# KiCad board ae89fa26-SparkFun_Thing_Plus_ESP32-S3_panelized.kicad_pcb (continued)
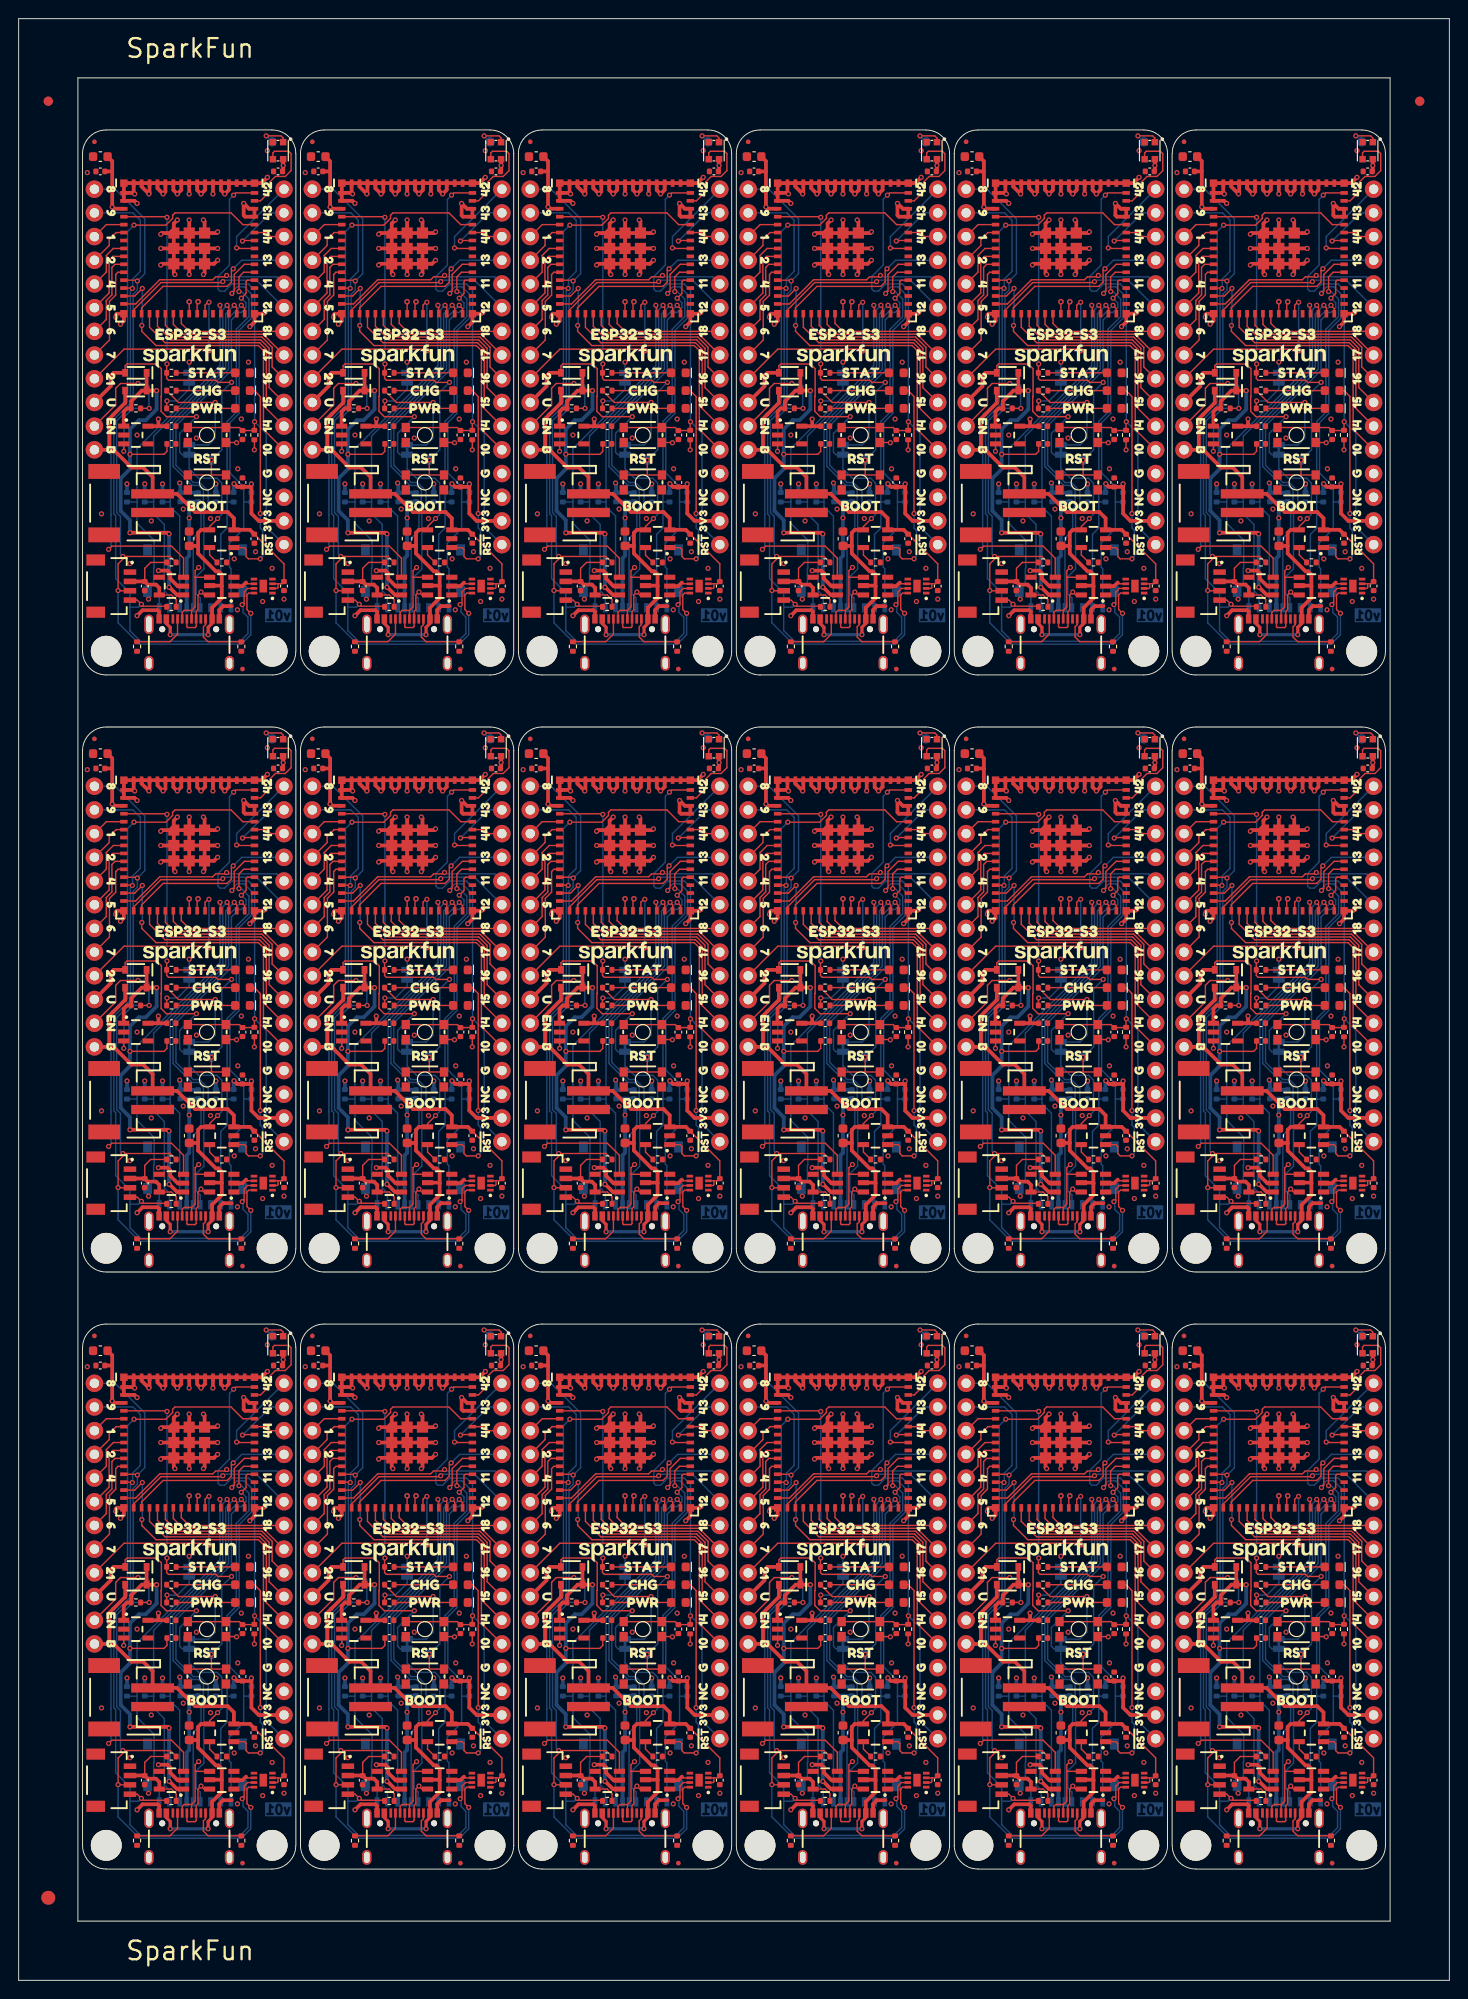
[diagram p0: board, top side]
## Routing (per net, layer and track width the routed paths; a pad name or vN(x,y) marks a point on that pad's centre or on a via; arc(x,y) is an arc through that point) (continued)
  Bottom w0.152: U10#9.1 57.06,128 60.24,124.83 60.24,118.95 v1(59.44,118.16) 59.44,117.18 59,116.75 59,104.97 57.23,103.19 57.23,93.33 57.63,92.92 57.63,88.88 v1(57.89,88.63) ; U10#12.1 57.06,192 60.24,188.83 60.24,182.95 v1(59.44,182.16) 59.44,181.18 59,180.75 59,168.97 57.23,167.19 57.23,157.33 57.63,156.92 57.63,152.88 v1(57.89,152.63) ; U10#16.1 103.78,192 106.96,188.83 106.96,182.95 v1(106.16,182.16) 106.16,181.18 105.72,180.75 105.72,168.97 103.95,167.19 103.95,157.33 104.35,156.92 104.35,152.88 v1(104.61,152.63) ; v1(127.46,148.98) 127.46,145.52 129.75,143.23 140.67,143.23 141.68,144.25 v1(141.68,146.53) ; v1(94.96,18.53) 94.96,16.25 93.95,15.23 83.03,15.23 80.74,17.52 v1(80.74,20.98) ; v1(57.89,24.63) 57.63,24.88 57.63,28.92 57.23,29.33 57.23,39.19 59,40.97 59,52.75 59.44,53.18 v1(59.44,54.16) 60.24,54.95 60.24,60.83 57.06,64 U10#6.1 ; v1(48.24,146.53) 48.24,144.25 47.23,143.23 36.31,143.23 34.02,145.52 v1(34.02,148.98) ; v1(48.24,82.53) 48.24,80.25 47.23,79.23 36.31,79.23 34.02,81.52 v1(34.02,84.98) ; v1(81.25,24.63) 80.99,24.88 80.99,28.92 80.59,29.33 80.59,39.19 82.36,40.97 82.36,52.75 82.8,53.18 v1(82.8,54.16) 83.6,54.95 83.6,60.83 80.42,64 U10#11.1 ; v1(71.6,18.53) 71.6,16.25 70.59,15.23 59.67,15.23 57.38,17.52 v1(57.38,20.98) ; U10#7.1 127.14,192 130.32,188.83 130.32,182.95 v1(129.52,182.16) 129.52,181.18 129.08,180.75 129.08,168.97 127.31,167.19 127.31,157.33 127.71,156.92 127.71,152.88 v1(127.97,152.63) ; v1(24.88,146.53) 24.88,144.25 23.87,143.23 12.95,143.23 10.66,145.52 v1(10.66,148.98) ; v1(104.1,20.98) 104.1,17.52 106.39,15.23 117.31,15.23 118.32,16.25 v1(118.32,18.53) ; U10#15.1 103.78,128 106.96,124.83 106.96,118.95 v1(106.16,118.16) 106.16,117.18 105.72,116.75 105.72,104.97 103.95,103.19 103.95,93.33 104.35,92.92 104.35,88.88 v1(104.61,88.63) ; v1(141.68,82.53) 141.68,80.25 140.67,79.23 129.75,79.23 127.46,81.52 v1(127.46,84.98) ; v1(71.6,146.53) 71.6,144.25 70.59,143.23 59.67,143.23 57.38,145.52 v1(57.38,148.98) ; v1(24.88,82.53) 24.88,80.25 23.87,79.23 12.95,79.23 10.66,81.52 v1(10.66,84.98) ; v1(11.17,24.63) 10.91,24.88 10.91,28.92 10.51,29.33 10.51,39.19 12.28,40.97 12.28,52.75 12.72,53.18 v1(12.72,54.16) 13.52,54.95 13.52,60.83 10.34,64 U10#18.1 ; v1(104.1,84.98) 104.1,81.52 106.39,79.23 117.31,79.23 118.32,80.25 v1(118.32,82.53) ; v1(127.46,20.98) 127.46,17.52 129.75,15.23 140.67,15.23 141.68,16.25 v1(141.68,18.53) ; v1(104.1,148.98) 104.1,145.52 106.39,143.23 117.31,143.23 118.32,144.25 v1(118.32,146.53) ; v1(11.17,88.63) 10.91,88.88 10.91,92.92 10.51,93.33 10.51,103.19 12.28,104.97 12.28,116.75 12.72,117.18 v1(12.72,118.16) 13.52,118.95 13.52,124.83 10.34,128 U10.1 ; v1(81.25,88.63) 80.99,88.88 80.99,92.92 80.59,93.33 80.59,103.19 82.36,104.97 82.36,116.75 82.8,117.18 v1(82.8,118.16) 83.6,118.95 83.6,124.83 80.42,128 U10#17.1 ; v1(34.53,152.63) 34.27,152.88 34.27,156.92 33.87,157.33 33.87,167.19 35.64,168.97 35.64,180.75 36.08,181.18 v1(36.08,182.16) 36.88,182.95 36.88,188.83 33.7,192 U10#5.1 ; U10#4.1 33.7,128 36.88,124.83 36.88,118.95 v1(36.08,118.16) 36.08,117.18 35.64,116.75 35.64,104.97 33.87,103.19 33.87,93.33 34.27,92.92 34.27,88.88 v1(34.53,88.63) ; U10#8.1 127.14,128 130.32,124.83 130.32,118.95 v1(129.52,118.16) 129.52,117.18 129.08,116.75 129.08,104.97 127.31,103.19 127.31,93.33 127.71,92.92 127.71,88.88 v1(127.97,88.63) ; v1(104.61,24.63) 104.35,24.88 104.35,28.92 103.95,29.33 103.95,39.19 105.72,40.97 105.72,52.75 106.16,53.18 v1(106.16,54.16) 106.96,54.95 106.96,60.83 103.78,64 U10#14.1 ; v1(71.6,82.53) 71.6,80.25 70.59,79.23 59.67,79.23 57.38,81.52 v1(57.38,84.98) ; U10#3.1 33.7,64 36.88,60.83 36.88,54.95 v1(36.08,54.16) 36.08,53.18 35.64,52.75 35.64,40.97 33.87,39.19 33.87,29.33 34.27,28.92 34.27,24.88 v1(34.53,24.63) ; v1(127.97,24.63) 127.71,24.88 127.71,28.92 127.31,29.33 127.31,39.19 129.08,40.97 129.08,52.75 129.52,53.18 v1(129.52,54.16) 130.32,54.95 130.32,60.83 127.14,64 U10#10.1 ; v1(11.17,152.63) 10.91,152.88 10.91,156.92 10.51,157.33 10.51,167.19 12.28,168.97 12.28,180.75 12.72,181.18 v1(12.72,182.16) 13.52,182.95 13.52,188.83 10.34,192 U10#2.1 ; v1(80.74,148.98) 80.74,145.52 83.03,143.23 93.95,143.23 94.96,144.25 v1(94.96,146.53) ; v1(80.74,84.98) 80.74,81.52 83.03,79.23 93.95,79.23 94.96,80.25 v1(94.96,82.53) ; v1(81.25,152.63) 80.99,152.88 80.99,156.92 80.59,157.33 80.59,167.19 82.36,168.97 82.36,180.75 82.8,181.18 v1(82.8,182.16) 83.6,182.95 83.6,188.83 80.42,192 U10#13.1 ; v1(34.02,20.98) 34.02,17.52 36.31,15.23 47.23,15.23 48.24,16.25 v1(48.24,18.53) ; v1(24.88,18.53) 24.88,16.25 23.87,15.23 12.95,15.23 10.66,17.52 v1(10.66,20.98)
ESP9/SCL: length 1388.7
  Top w0.152: 82.09,83.96 82.79,83.96 v1(83.24,83.51) 83.44,83.3 85.88,83.3 R12#12.2 ; v1(47.32,147.47) 47.35,147.47 47.53,147.65 47.53,148.83 47.9,149.21 U4#6.7 ; v1(82.26,117.36) 82.23,117.4 U3#15.13 ; R12#15.2 15.8,147.3 13.36,147.3 v1(13.16,147.51) 12.71,147.96 12.01,147.96 ; 58.73,83.96 59.43,83.96 v1(59.88,83.51) 60.08,83.3 62.52,83.3 R12#13.2 ; R12#2.2 109.24,83.3 106.8,83.3 v1(106.6,83.51) 106.15,83.96 105.45,83.96 ; 82.09,147.96 82.79,147.96 v1(83.24,147.51) 83.44,147.3 85.88,147.3 R12#16.2 ; U4#5.7 47.9,21.21 47.53,20.83 47.53,19.65 47.35,19.47 v1(47.32,19.47) ; v1(23.96,147.47) 23.99,147.47 24.17,147.65 24.17,148.83 24.54,149.21 U4#3.7 ; U4#2.7 24.54,21.21 24.17,20.83 24.17,19.65 23.99,19.47 v1(23.96,19.47) ; v1(117.4,19.47) 117.43,19.47 117.61,19.65 117.61,20.83 117.98,21.21 U4#14.7 ; R12.2 15.8,19.3 13.36,19.3 v1(13.16,19.51) 12.71,19.96 12.01,19.96 ; U4#8.7 94.62,21.21 94.25,20.83 94.25,19.65 94.07,19.47 v1(94.04,19.47) ; v1(105.62,53.36) 105.59,53.4 U3#14.13 ; v1(140.76,147.47) 140.79,147.47 140.97,147.65 140.97,148.83 141.34,149.21 U4#10.7 ; U4#9.7 117.98,85.21 117.61,84.83 117.61,83.65 117.43,83.47 v1(117.4,83.47) ; U4#11.7 117.98,149.21 117.61,148.83 117.61,147.65 117.43,147.47 v1(117.4,147.47) ; 35.37,83.96 36.07,83.96 v1(36.52,83.51) 36.72,83.3 39.16,83.3 R12#10.2 ; R12#17.2 39.16,147.3 36.72,147.3 v1(36.52,147.51) 36.07,147.96 35.37,147.96 ; U4#15.7 141.34,85.21 140.97,84.83 140.97,83.65 140.79,83.47 v1(140.76,83.47) ; U3#13.13 128.95,181.4 v1(128.98,181.36) ; 35.37,19.96 36.07,19.96 v1(36.52,19.51) 36.72,19.3 39.16,19.3 R12#6.2 ; U3#5.13 35.51,117.4 v1(35.54,117.36) ; v1(58.9,53.36) 58.87,53.4 U3#17.13 ; R12#7.2 62.52,19.3 60.08,19.3 v1(59.88,19.51) 59.43,19.96 58.73,19.96 ; R12#9.2 85.88,19.3 83.44,19.3 v1(83.24,19.51) 82.79,19.96 82.09,19.96 ; v1(35.54,53.36) 35.51,53.4 U3#2.13 ; U3#6.13 105.59,181.4 v1(105.62,181.36) ; v1(140.76,19.47) 140.79,19.47 140.97,19.65 140.97,20.83 141.34,21.21 U4#7.7 ; v1(94.04,147.47) 94.07,147.47 94.25,147.65 94.25,148.83 94.62,149.21 U4#17.7 ; U3#9.13 105.59,117.4 v1(105.62,117.36) ; U3#18.13 12.15,53.4 v1(12.18,53.36) ; R12#3.2 132.6,147.3 130.16,147.3 v1(129.96,147.51) 129.51,147.96 128.81,147.96 ; U3#10.13 82.23,181.4 v1(82.26,181.36) ; U3#7.13 58.87,181.4 v1(58.9,181.36) ; 105.45,147.96 106.15,147.96 v1(106.6,147.51) 106.8,147.3 109.24,147.3 R12#11.2 ; U3#16.13 128.95,53.4 v1(128.98,53.36) ; U4#4.7 24.54,85.21 24.17,84.83 24.17,83.65 23.99,83.47 v1(23.96,83.47) ; v1(70.68,83.47) 70.71,83.47 70.89,83.65 70.89,84.83 71.26,85.21 U4#12.7 ; U3#12.13 128.95,117.4 v1(128.98,117.36) ; R12#14.2 132.6,19.3 130.16,19.3 v1(129.96,19.51) 129.51,19.96 128.81,19.96 ; U4#18.7 94.62,85.21 94.25,84.83 94.25,83.65 94.07,83.47 v1(94.04,83.47) ; R12#5.2 62.52,147.3 60.08,147.3 v1(59.88,147.51) 59.43,147.96 58.73,147.96 ; v1(58.9,117.36) 58.87,117.4 U3#8.13 ; U3.13 35.51,181.4 v1(35.54,181.36) ; v1(82.26,53.36) 82.23,53.4 U3#11.13 ; R12#18.2 132.6,83.3 130.16,83.3 v1(129.96,83.51) 129.51,83.96 128.81,83.96 ; v1(12.18,181.36) 12.15,181.4 U3#3.13 ; v1(12.18,117.36) 12.15,117.4 U3#4.13 ; v1(47.32,83.47) 47.35,83.47 47.53,83.65 47.53,84.83 47.9,85.21 U4.7 ; v1(70.68,147.47) 70.71,147.47 70.89,147.65 70.89,148.83 71.26,149.21 U4#16.7 ; 12.01,83.96 12.71,83.96 v1(13.16,83.51) 13.36,83.3 15.8,83.3 R12#4.2 ; U4#13.7 71.26,21.21 70.89,20.83 70.89,19.65 70.71,19.47 v1(70.68,19.47) ; R12#8.2 109.24,19.3 106.8,19.3 v1(106.6,19.51) 106.15,19.96 105.45,19.96
  Bottom w0.152: 105.37,83.2 105.37,80.68 106.51,79.54 117.18,79.54 118.02,80.37 118.02,82.12 117.5,82.64 117.5,83.55 117.44,83.55 ; 105.37,83.2 106.29,83.2 v1(106.6,83.51) ; 105.37,83.2 105.37,84.73 103.85,86.26 103.85,93 103.64,93.21 103.64,103.32 105.42,105.1 105.42,117.16 v1(105.62,117.36) 105.66,117.4 105.66,118.37 106.48,119.19 106.48,124.67 105.69,125.46 U10#15.2 ; 105.37,19.2 106.29,19.2 v1(106.6,19.51) ; 105.37,19.2 105.37,20.73 103.85,22.26 103.85,29 103.64,29.21 103.64,39.32 105.42,41.1 105.42,53.16 v1(105.62,53.36) 105.66,53.4 105.66,54.37 106.48,55.19 106.48,60.67 105.69,61.46 U10#14.2 ; 105.37,19.2 105.37,16.68 106.51,15.54 117.18,15.54 118.02,16.37 118.02,18.12 117.5,18.64 117.5,19.55 117.44,19.55 ; U10#6.2 58.97,61.46 59.76,60.67 59.76,55.19 58.94,54.37 58.94,53.4 v1(58.9,53.36) 58.7,53.16 58.7,41.1 56.92,39.32 56.92,29.21 57.13,29 57.13,22.26 58.65,20.73 58.65,19.2 ; v1(129.96,147.51) 129.65,147.2 128.73,147.2 ; 82.01,83.2 82.01,80.68 83.15,79.54 93.82,79.54 94.66,80.37 94.66,82.12 94.14,82.64 94.14,83.55 94.07,83.55 ; 82.01,83.2 82.93,83.2 v1(83.24,83.51) ; 82.01,83.2 82.01,84.73 80.49,86.26 80.49,93 80.28,93.21 80.28,103.32 82.06,105.1 82.06,117.16 v1(82.26,117.36) 82.3,117.4 82.3,118.37 83.12,119.19 83.12,124.67 82.33,125.46 U10#17.2 ; 24,19.55 24.06,19.55 24.06,18.64 24.58,18.12 24.58,16.37 23.74,15.54 13.07,15.54 11.93,16.68 11.93,19.2 ; v1(83.24,147.51) 82.93,147.2 82.01,147.2 ; 11.93,19.2 11.93,20.73 10.41,22.26 10.41,29 10.2,29.21 10.2,39.32 11.98,41.1 11.98,53.16 v1(12.18,53.36) 12.22,53.4 12.22,54.37 13.04,55.19 13.04,60.67 12.25,61.46 U10#18.2 ; 11.93,19.2 12.85,19.2 v1(13.16,19.51) ; 58.65,19.2 58.65,16.68 59.79,15.54 70.46,15.54 71.3,16.37 71.3,18.12 70.78,18.64 70.78,19.55 70.72,19.55 ; 58.65,19.2 59.57,19.2 v1(59.88,19.51) ; 35.29,147.2 35.29,148.73 33.77,150.26 33.77,157 33.56,157.21 33.56,167.32 35.34,169.1 35.34,181.16 v1(35.54,181.36) 35.58,181.4 35.58,182.37 36.4,183.19 36.4,188.67 35.61,189.46 U10#5.2 ; 35.29,147.2 35.29,144.68 36.43,143.54 47.1,143.54 47.94,144.37 47.94,146.12 47.42,146.64 47.42,147.55 47.35,147.55 ; 35.29,147.2 36.21,147.2 v1(36.52,147.51) ; 140.79,19.55 140.86,19.55 140.86,18.64 141.38,18.12 141.38,16.37 140.54,15.54 129.87,15.54 128.73,16.68 128.73,19.2 ; 24,147.55 24.06,147.55 24.06,146.64 24.58,146.12 24.58,144.37 23.74,143.54 13.07,143.54 11.93,144.68 11.93,147.2 ; 128.73,83.2 128.73,80.68 129.87,79.54 140.54,79.54 141.38,80.37 141.38,82.12 140.86,82.64 140.86,83.55 140.79,83.55 ; 128.73,83.2 129.65,83.2 v1(129.96,83.51) ; 128.73,83.2 128.73,84.73 127.21,86.26 127.21,93 127,93.21 127,103.32 128.78,105.1 128.78,117.16 v1(128.98,117.36) 129.02,117.4 129.02,118.37 129.84,119.19 129.84,124.67 129.05,125.46 U10#8.2 ; U10#16.2 105.69,189.46 106.48,188.67 106.48,183.19 105.66,182.37 105.66,181.4 v1(105.62,181.36) 105.42,181.16 105.42,169.1 103.64,167.32 103.64,157.21 103.85,157 103.85,150.26 105.37,148.73 105.37,147.2 ; 105.37,147.2 106.29,147.2 v1(106.6,147.51) ; 105.37,147.2 105.37,144.68 106.51,143.54 117.18,143.54 118.02,144.37 118.02,146.12 117.5,146.64 117.5,147.55 117.44,147.55 ; 82.01,147.2 82.01,144.68 83.15,143.54 93.82,143.54 94.66,144.37 94.66,146.12 94.14,146.64 94.14,147.55 94.07,147.55 ; 82.01,147.2 82.01,148.73 80.49,150.26 80.49,157 80.28,157.21 80.28,167.32 82.06,169.1 82.06,181.16 v1(82.26,181.36) 82.3,181.4 82.3,182.37 83.12,183.19 83.12,188.67 82.33,189.46 U10#13.2 ; 70.72,147.55 70.78,147.55 70.78,146.64 71.3,146.12 71.3,144.37 70.46,143.54 59.79,143.54 58.65,144.68 58.65,147.2 ; U10#12.2 58.97,189.46 59.76,188.67 59.76,183.19 58.94,182.37 58.94,181.4 v1(58.9,181.36) 58.7,181.16 58.7,169.1 56.92,167.32 56.92,157.21 57.13,157 57.13,150.26 58.65,148.73 58.65,147.2 ; v1(83.24,19.51) 82.93,19.2 82.01,19.2 ; v1(59.88,147.51) 59.57,147.2 58.65,147.2 ; 82.01,19.2 82.01,20.73 80.49,22.26 80.49,29 80.28,29.21 80.28,39.32 82.06,41.1 82.06,53.16 v1(82.26,53.36) 82.3,53.4 82.3,54.37 83.12,55.19 83.12,60.67 82.33,61.46 U10#11.2 ; 82.01,19.2 82.01,16.68 83.15,15.54 93.82,15.54 94.66,16.37 94.66,18.12 94.14,18.64 94.14,19.55 94.07,19.55 ; 58.65,83.2 58.65,84.73 57.13,86.26 57.13,93 56.92,93.21 56.92,103.32 58.7,105.1 58.7,117.16 v1(58.9,117.36) 58.94,117.4 58.94,118.37 59.76,119.19 59.76,124.67 58.97,125.46 U10#9.2 ; 58.65,83.2 58.65,80.68 59.79,79.54 70.46,79.54 71.3,80.37 71.3,82.12 70.78,82.64 70.78,83.55 70.72,83.55 ; 58.65,83.2 59.57,83.2 v1(59.88,83.51) ; 11.93,83.2 11.93,84.73 10.41,86.26 10.41,93 10.2,93.21 10.2,103.32 11.98,105.1 11.98,117.16 v1(12.18,117.36) 12.22,117.4 12.22,118.37 13.04,119.19 13.04,124.67 12.25,125.46 U10.2 ; 11.93,83.2 11.93,80.68 13.07,79.54 23.74,79.54 24.58,80.37 24.58,82.12 24.06,82.64 24.06,83.55 24,83.55 ; 11.93,83.2 12.85,83.2 v1(13.16,83.51) ; 140.79,147.55 140.86,147.55 140.86,146.64 141.38,146.12 141.38,144.37 140.54,143.54 129.87,143.54 128.73,144.68 128.73,147.2 ; 128.73,19.2 129.65,19.2 v1(129.96,19.51) ; 128.73,19.2 128.73,20.73 127.21,22.26 127.21,29 127,29.21 127,39.32 128.78,41.1 128.78,53.16 v1(128.98,53.36) 129.02,53.4 129.02,54.37 129.84,55.19 129.84,60.67 129.05,61.46 U10#10.2 ; 11.93,147.2 11.93,148.73 10.41,150.26 10.41,157 10.2,157.21 10.2,167.32 11.98,169.1 11.98,181.16 v1(12.18,181.36) 12.22,181.4 12.22,182.37 13.04,183.19 13.04,188.67 12.25,189.46 U10#2.2 ; 11.93,147.2 12.85,147.2 v1(13.16,147.51) ; U10#3.2 35.61,61.46 36.4,60.67 36.4,55.19 35.58,54.37 35.58,53.4 v1(35.54,53.36) 35.34,53.16 35.34,41.1 33.56,39.32 33.56,29.21 33.77,29 33.77,22.26 35.29,20.73 35.29,19.2 ; U10#7.2 129.05,189.46 129.84,188.67 129.84,183.19 129.02,182.37 129.02,181.4 v1(128.98,181.36) 128.78,181.16 128.78,169.1 127,167.32 127,157.21 127.21,157 127.21,150.26 128.73,148.73 128.73,147.2 ; U10#4.2 35.61,125.46 36.4,124.67 36.4,119.19 35.58,118.37 35.58,117.4 v1(35.54,117.36) 35.34,117.16 35.34,105.1 33.56,103.32 33.56,93.21 33.77,93 33.77,86.26 35.29,84.73 35.29,83.2 ; v1(36.52,19.51) 36.21,19.2 35.29,19.2 ; 35.29,19.2 35.29,16.68 36.43,15.54 47.1,15.54 47.94,16.37 47.94,18.12 47.42,18.64 47.42,19.55 47.35,19.55 ; 35.29,83.2 36.21,83.2 v1(36.52,83.51) ; 35.29,83.2 35.29,80.68 36.43,79.54 47.1,79.54 47.94,80.37 47.94,82.12 47.42,82.64 47.42,83.55 47.35,83.55
ESP10/A0: length 582.9
  Top w0.152: U10#5.24 49.6,166.26 49.6,174.69 49.06,175.24 38.08,175.24 36.56,176.76 v1(36.56,177.4) ; v1(13.2,49.4) 13.2,48.76 14.72,47.24 25.7,47.24 26.24,46.69 26.24,38.26 U10#18.24 ; U10#11.24 96.32,38.26 96.32,46.69 95.78,47.24 84.8,47.24 83.28,48.76 v1(83.28,49.4) ; v1(36.62,53.36) 35.8,52.55 U3#2.14 ; v1(59.92,49.4) 59.92,48.76 61.44,47.24 72.42,47.24 72.96,46.69 72.96,38.26 U10#6.24 ; v1(130,49.4) 130,48.76 131.52,47.24 142.5,47.24 143.04,46.69 143.04,38.26 U10#10.24 ; U3#16.14 129.24,52.55 v1(130.06,53.36) ; v1(13.26,53.36) 12.44,52.55 U3#18.14 ; v1(59.92,113.4) 59.92,112.76 61.44,111.24 72.42,111.24 72.96,110.69 72.96,102.26 U10#9.24 ; v1(36.56,113.4) 36.56,112.76 38.08,111.24 49.06,111.24 49.6,110.69 49.6,102.26 U10#4.24 ; U10#14.24 119.68,38.26 119.68,46.69 119.14,47.24 108.16,47.24 106.64,48.76 v1(106.64,49.4) ; U3#7.14 59.16,180.55 v1(59.98,181.36) ; U10#16.24 119.68,166.26 119.68,174.69 119.14,175.24 108.16,175.24 106.64,176.76 v1(106.64,177.4) ; U3#10.14 82.52,180.55 v1(83.34,181.36) ; v1(130.06,181.36) 129.24,180.55 U3#13.14 ; v1(83.34,117.36) 82.52,116.55 U3#15.14 ; U10#17.24 96.32,102.26 96.32,110.69 95.78,111.24 84.8,111.24 83.28,112.76 v1(83.28,113.4) ; v1(59.98,53.36) 59.16,52.55 U3#17.14 ; U10#15.24 119.68,102.26 119.68,110.69 119.14,111.24 108.16,111.24 106.64,112.76 v1(106.64,113.4) ; v1(13.2,113.4) 13.2,112.76 14.72,111.24 25.7,111.24 26.24,110.69 26.24,102.26 U10.24 ; v1(130,177.4) 130,176.76 131.52,175.24 142.5,175.24 143.04,174.69 143.04,166.26 U10#7.24 ; v1(36.62,117.36) 35.8,116.55 U3#5.14 ; U10#12.24 72.96,166.26 72.96,174.69 72.42,175.24 61.44,175.24 59.92,176.76 v1(59.92,177.4) ; v1(36.62,181.36) 35.8,180.55 U3.14 ; v1(13.2,177.4) 13.2,176.76 14.72,175.24 25.7,175.24 26.24,174.69 26.24,166.26 U10#2.24 ; U3#3.14 12.44,180.55 v1(13.26,181.36) ; U10#3.24 49.6,38.26 49.6,46.69 49.06,47.24 38.08,47.24 36.56,48.76 v1(36.56,49.4) ; v1(59.98,117.36) 59.16,116.55 U3#8.14 ; v1(106.7,181.36) 105.88,180.55 U3#6.14 ; U3#12.14 129.24,116.55 v1(130.06,117.36) ; v1(106.7,53.36) 105.88,52.55 U3#14.14 ; v1(130,113.4) 130,112.76 131.52,111.24 142.5,111.24 143.04,110.69 143.04,102.26 U10#8.24 ; v1(106.7,117.36) 105.88,116.55 U3#9.14 ; U10#13.24 96.32,166.26 96.32,174.69 95.78,175.24 84.8,175.24 83.28,176.76 v1(83.28,177.4) ; U3#4.14 12.44,116.55 v1(13.26,117.36) ; v1(83.34,53.36) 82.52,52.55 U3#11.14
  Bottom w0.152: v1(13.2,113.4) 13.26,113.45 v1(13.26,117.36) ; v1(13.2,49.4) 13.26,49.45 v1(13.26,53.36) ; v1(106.64,49.4) 106.7,49.45 v1(106.7,53.36) ; v1(36.56,113.4) 36.62,113.45 v1(36.62,117.36) ; v1(36.62,181.36) 36.62,177.45 v1(36.56,177.4) ; v1(130,49.4) 130.06,49.45 v1(130.06,53.36) ; v1(106.64,113.4) 106.7,113.45 v1(106.7,117.36) ; v1(106.7,181.36) 106.7,177.45 v1(106.64,177.4) ; v1(59.98,53.36) 59.98,49.45 v1(59.92,49.4) ; v1(83.28,177.4) 83.34,177.45 v1(83.34,181.36) ; v1(130,177.4) 130.06,177.45 v1(130.06,181.36) ; v1(83.34,117.36) 83.34,113.45 v1(83.28,113.4) ; v1(36.62,53.36) 36.62,49.45 v1(36.56,49.4) ; v1(59.92,113.4) 59.98,113.45 v1(59.98,117.36) ; v1(83.28,49.4) 83.34,49.45 v1(83.34,53.36) ; v1(130.06,117.36) 130.06,113.45 v1(130,113.4) ; v1(13.26,181.36) 13.26,177.45 v1(13.2,177.4) ; v1(59.98,181.36) 59.98,177.45 v1(59.92,177.4)
ESP11/PICO: length 338.5
  Top w0.152: v1(92.37,54.76) 92.22,54.6 91.2,54.6 90.89,54.29 85.2,54.29 82.61,51.7 U3#11.15 ; U3#3.15 12.53,179.7 15.12,182.29 20.81,182.29 21.12,182.6 22.14,182.6 v1(22.29,182.76) ; v1(92.37,118.76) 92.22,118.6 91.2,118.6 90.89,118.29 85.2,118.29 82.61,115.7 U3#15.15 ; v1(139.09,182.76) 138.94,182.6 137.92,182.6 137.61,182.29 131.92,182.29 129.33,179.7 U3#13.15 ; U3#2.15 35.89,51.7 38.48,54.29 44.17,54.29 44.48,54.6 45.5,54.6 v1(45.65,54.76) ; U3#4.15 12.53,115.7 15.12,118.29 20.81,118.29 21.12,118.6 22.14,118.6 v1(22.29,118.76) ; U3#17.15 59.25,51.7 61.84,54.29 67.53,54.29 67.84,54.6 68.86,54.6 v1(69.01,54.76) ; U3#14.15 105.97,51.7 108.56,54.29 114.25,54.29 114.56,54.6 115.58,54.6 v1(115.73,54.76) ; v1(22.29,54.76) 22.14,54.6 21.12,54.6 20.81,54.29 15.12,54.29 12.53,51.7 U3#18.15 ; v1(139.09,118.76) 138.94,118.6 137.92,118.6 137.61,118.29 131.92,118.29 129.33,115.7 U3#12.15 ; U3#5.15 35.89,115.7 38.48,118.29 44.17,118.29 44.48,118.6 45.5,118.6 v1(45.65,118.76) ; U3#10.15 82.61,179.7 85.2,182.29 90.89,182.29 91.2,182.6 92.22,182.6 v1(92.37,182.76) ; v1(115.73,118.76) 115.58,118.6 114.56,118.6 114.25,118.29 108.56,118.29 105.97,115.7 U3#9.15 ; U3#16.15 129.33,51.7 131.92,54.29 137.61,54.29 137.92,54.6 138.94,54.6 v1(139.09,54.76) ; v1(69.01,118.76) 68.86,118.6 67.84,118.6 67.53,118.29 61.84,118.29 59.25,115.7 U3#8.15 ; v1(115.73,182.76) 115.58,182.6 114.56,182.6 114.25,182.29 108.56,182.29 105.97,179.7 U3#6.15 ; v1(69.01,182.76) 68.86,182.6 67.84,182.6 67.53,182.29 61.84,182.29 59.25,179.7 U3#7.15 ; U3.15 35.89,179.7 38.48,182.29 44.17,182.29 44.48,182.6 45.5,182.6 v1(45.65,182.76)
  Bottom w0.152: v1(45.65,54.76) 45.81,54.6 51.04,54.6 U10#3.17 ; v1(115.73,182.76) 115.89,182.6 121.12,182.6 U10#16.17 ; v1(115.73,54.76) 115.89,54.6 121.12,54.6 U10#14.17 ; U10#7.17 144.48,182.6 139.25,182.6 v1(139.09,182.76) ; U10#2.17 27.68,182.6 22.45,182.6 v1(22.29,182.76) ; v1(22.29,118.76) 22.45,118.6 27.68,118.6 U10.17 ; U10#10.17 144.48,54.6 139.25,54.6 v1(139.09,54.76) ; U10#9.17 74.4,118.6 69.17,118.6 v1(69.01,118.76) ; U10#18.17 27.68,54.6 22.45,54.6 v1(22.29,54.76) ; v1(139.09,118.76) 139.25,118.6 144.48,118.6 U10#8.17 ; v1(92.37,118.76) 92.53,118.6 97.76,118.6 U10#17.17 ; v1(69.01,182.76) 69.17,182.6 74.4,182.6 U10#12.17 ; U10#15.17 121.12,118.6 115.89,118.6 v1(115.73,118.76) ; U10#4.17 51.04,118.6 45.81,118.6 v1(45.65,118.76) ; v1(69.01,54.76) 69.17,54.6 74.4,54.6 U10#6.17 ; v1(45.65,182.76) 45.81,182.6 51.04,182.6 U10#5.17 ; v1(92.37,54.76) 92.53,54.6 97.76,54.6 U10#11.17 ; v1(92.37,182.76) 92.53,182.6 97.76,182.6 U10#13.17
ESP12/SCK: length 343.2
  Top w0.152: U3#13.16 129.13,179.06 132.05,181.99 138.57,181.99 v1(138.68,182.09) ; v1(91.96,118.09) 91.85,117.99 85.33,117.99 82.41,115.07 U3#15.16 ; v1(91.96,54.09) 91.85,53.99 85.33,53.99 82.41,51.07 U3#11.16 ; v1(91.96,182.09) 91.85,181.99 85.33,181.99 82.41,179.06 U3#10.16 ; v1(138.68,54.09) 138.57,53.99 132.05,53.99 129.13,51.07 U3#16.16 ; v1(21.88,118.09) 21.77,117.99 15.25,117.99 12.33,115.07 U3#4.16 ; U3#3.16 12.33,179.06 15.25,181.99 21.77,181.99 v1(21.88,182.09) ; U3#5.16 35.69,115.07 38.61,117.99 45.13,117.99 v1(45.24,118.09) ; v1(21.88,54.09) 21.77,53.99 15.25,53.99 12.33,51.07 U3#18.16 ; U3.16 35.69,179.06 38.61,181.99 45.13,181.99 v1(45.24,182.09) ; U3#14.16 105.77,51.07 108.69,53.99 115.21,53.99 v1(115.32,54.09) ; v1(115.32,182.09) 115.21,181.99 108.69,181.99 105.77,179.06 U3#6.16 ; U3#7.16 59.05,179.06 61.97,181.99 68.49,181.99 v1(68.6,182.09) ; U3#9.16 105.77,115.07 108.69,117.99 115.21,117.99 v1(115.32,118.09) ; U3#2.16 35.69,51.07 38.61,53.99 45.13,53.99 v1(45.24,54.09) ; v1(68.6,118.09) 68.49,117.99 61.97,117.99 59.05,115.07 U3#8.16 ; v1(68.6,54.09) 68.49,53.99 61.97,53.99 59.05,51.07 U3#17.16 ; U3#12.16 129.13,115.07 132.05,117.99 138.57,117.99 v1(138.68,118.09)
  Bottom w0.152: U10#9.18 72.21,118.25 68.75,118.25 v1(68.6,118.09) ; U10#16.18 118.93,182.25 115.47,182.25 v1(115.32,182.09) ; U10#15.18 118.93,118.25 115.47,118.25 v1(115.32,118.09) ; v1(115.32,54.09) 115.47,54.25 118.93,54.25 U10#14.18 ; v1(138.68,54.09) 138.83,54.25 142.29,54.25 U10#10.18 ; U10#7.18 142.29,182.25 138.83,182.25 v1(138.68,182.09) ; U10#13.18 95.57,182.25 92.11,182.25 v1(91.96,182.09) ; U10#17.18 95.57,118.25 92.11,118.25 v1(91.96,118.09) ; v1(45.24,118.09) 45.39,118.25 48.85,118.25 U10#4.18 ; v1(68.6,182.09) 68.75,182.25 72.21,182.25 U10#12.18 ; U10#6.18 72.21,54.25 68.75,54.25 v1(68.6,54.09) ; U10#18.18 25.49,54.25 22.03,54.25 v1(21.88,54.09) ; v1(21.88,118.09) 22.03,118.25 25.49,118.25 U10.18 ; v1(138.68,118.09) 138.83,118.25 142.29,118.25 U10#8.18 ; U10#2.18 25.49,182.25 22.03,182.25 v1(21.88,182.09) ; v1(91.96,54.09) 92.11,54.25 95.57,54.25 U10#11.18 ; U10#5.18 48.85,182.25 45.39,182.25 v1(45.24,182.09) ; U10#3.18 48.85,54.25 45.39,54.25 v1(45.24,54.09)
